# Altium PCB TLS_NBIOT.PcbDoc (continued)
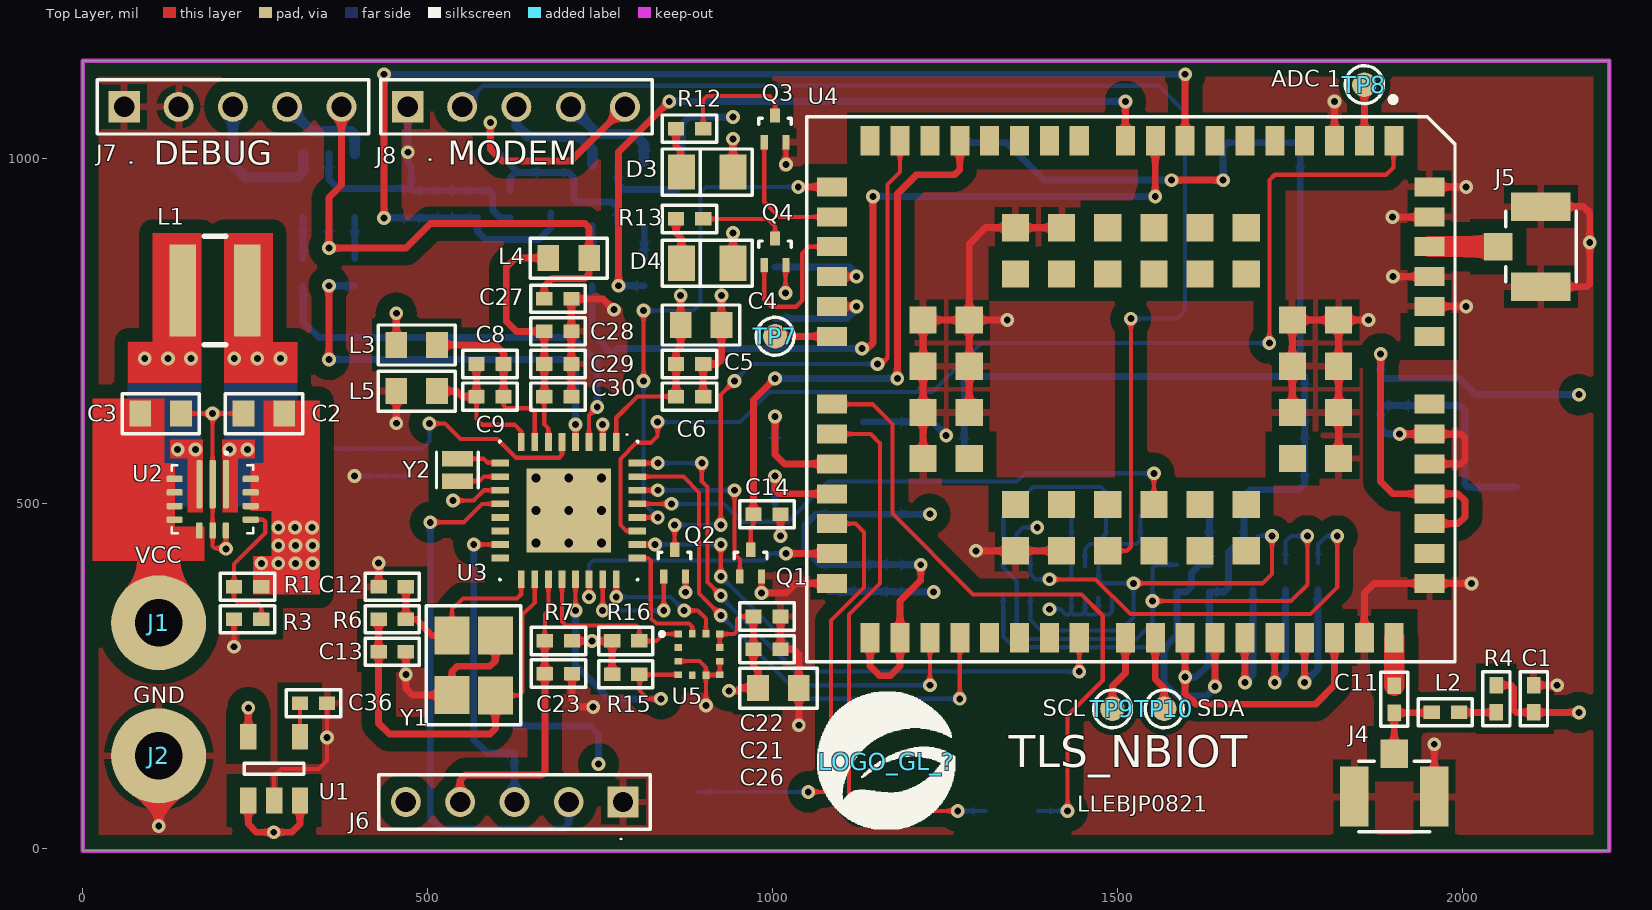
[diagram p0: Top Layer view]
## Footprints (in the part's own frame and the unit in brackets; to place one, negate y for a bottom-side part, rotate by r counter-clockwise, add the part's x,y. Pads: shape width x height; smd on the part's side, far side on the other; paste and mask are expansions set on the pad) (continued)
PIN_CABLE [mm]
  round 3.5 hole 1.75: 1(0,0)
QFN32EP [mm] "QFN, 32-Leads, Body 5,1x5,1mm (max), Pitch 0,50mm, IPC Medium Density"
  rect 0.65x0.25 smd paste-0.025 mask+0.025: 1(-2.525,1.75) 2(-2.525,1.25) 3(-2.525,0.75) 4(-2.525,0.25) 5(-2.525,-0.25) 6(-2.525,-0.75) 7(-2.525,-1.25) 8(-2.525,-1.75) 17(2.525,-1.75) 18(2.525,-1.25) 19(2.525,-0.75) 20(2.525,-0.25) 21(2.525,0.25) 22(2.525,0.75) 23(2.525,1.25) 24(2.525,1.75)
  rect 0.25x0.65 smd paste-0.025 mask+0.025: 9(-1.75,-2.525) 10(-1.25,-2.525) 11(-0.75,-2.525) 12(-0.25,-2.525) 13(0.25,-2.525) 14(0.75,-2.525) 15(1.25,-2.525) 16(1.75,-2.525) 25(1.75,2.525) 26(1.25,2.525) 27(0.75,2.525) 28(0.25,2.525) 29(-0.25,2.525) 30(-0.75,2.525) 31(-1.25,2.525) 32(-1.75,2.525)
  rect 3.1x3.1 smd paste-0.025: 33(0,0)
  Top Layer pour cut-out: -3.1,3.1 3.1,3.1 3.1,-3.1 -3.1,-3.1
  silkscreen extent -2.55,-2.55 2.55,2.55, body extent -2.51,-2.5 2.49,2.5, height 0.7
SIP5_MM [mm]
  rect 1.15x1.15 hole 0.75: 1(0,0)
  round 1.1 hole 0.75: 2(2,0) 3(4,0) 4(6,0) 5(8,0)
  silkscreen extent -1,-1 9,1, body extent -0.96,-1.01 8.93,0.99, height 6
SOT23-5 [mm]
  rect 0.6x0.95 smd: 1(0,0) 2(0.95,0) 3(1.9,0) 4(1.9,2.35) 5(0,2.35)
  silkscreen extent -0.15,0.97 2.05,1.37, body extent -0.52,-0.01 2.4,2.33, height 1
SOT23-6 [mm]
  rect 0.6x0.95 smd: 1(-0.95,-1.175) 2(0,-1.175) 3(0.95,-1.175) 4(0.95,1.175) 5(0,1.175) 6(-0.95,1.175)
  silkscreen extent -1.1,-0.2 1.1,0.2, body extent -1.52,-1.52 1.53,1.48, height 1.3
SOT553 [mm] "SOT553"
  rect 0.3x0.45 smd: 1(0,0) 2(0.5,0) 3(1,0) 4(1,1.35) 5(0,1.35)
  silkscreen extent -0.61,-0.08 1.19,0.9, body extent -0.3,-0.12 1.3,1.48, height 0.45
SOT723 [mm]
  rect 0.27x0.52 smd: 1(-0.4,-0.49) 3(0.4,-0.49)
  rect 0.36x0.52 smd: 2(0,0.49)
  silkscreen extent -0.6,0.17 0.6,0.4, body extent -0.63,-0.61 0.63,0.44, height 0.45
"Style A - 1566230" [mm]
  rect 1x1.05 smd: 1(0,1.575)
  rect 1.05x2.2 smd: 2(-1.475,0) 3(1.475,0)
  silkscreen extent -1.3,-1.3 1.3,1.3, body extent -1.5,-1.3 1.5,1.55, height 1.25
TP [mm]
  round 0.9 smd: 1(0,0)
  silkscreen extent -0.7,-0.7 0.7,0.7
VQFN14 [mm]
  rrect50% 1.79x0.22 smd paste-0.5 mask+0.05: 1(-0.755,0.49) 3(-0.755,-0.49)
  rrect50% 1.79x0.24 smd paste-0.5 mask+0.05: 2(-0.755,0)
  rrect50% 0.24x0.6 smd mask+0.05: 4(-0.95,-1.4) 5(-0.45,-1.4) 6(0.05,-1.4) 7(0.55,-1.4) 11(0.55,1.4) 12(0.05,1.4) 13(-0.45,1.4) 14(-0.95,1.4)
  rrect50% 0.6x0.24 smd mask+0.05: 8(0.95,-0.49) 9(0.95,0) 10(0.95,0.49)
  silkscreen extent -1.95,-1.5 1.05,1.5, body extent -1.45,-1.5 1.05,1.5, height 1.1
XGL4020102 [mm] "XGL4020102"
  rect 0.98x3.4 smd: 1(-1.185,0) 2(1.185,0)
  silkscreen extent -0.4,-2 0.4,2, body extent -2,-2 2,2, height 2.2

## Part data
C1 C6 C8 C10 C15 C18 C21 C22 C23 C31 C36: library part CAP0402_100nF_50V_X7R, "CAP0402 100nF 50V X7R", Manufacturer="TDK Corporation", Manufacturer Part Number=C1005X7R1H104K050BB, Supplier Part Number 1=445-5932-2-ND, CREO=LL, Part Number=CAP0402_100nF_50V_X7R, Supplier 1=Digi-Key
  C6 C8 C10 C15 C18 C21 C22 C23 C31 C36: Digikey PN=445-5932-2-ND, Precio=0
C2: library part CAP0603_47uF_X5R, "CAP0603 47uF 6.3V", Manufacturer="Murata Electronics", Manufacturer Part Number=GRM188R60J476ME15D, Supplier Part Number 1=490-13247-1-ND, CREO=JP, Part Number=CAP0603_47uF_X5R, Supplier 1=Digi-Key
C3 C26: library part CAP0603_10uF_6V3_X5R, "CAP0603 10uF 6V3 X5R", Manufacturer="Murata Electronics", Manufacturer Part Number=GRM188R60J106KE47D, Supplier Part Number 1=490-12538-1-ND, CREO=JP, Part Number=CAP0603_10uF_6V3_X5R, Supplier 1=Digi-Key
C4: library part CAP0603_10uF_6.3V_Y5V, "CAP0603 10uF 6.3V Y5V", Manufacturer="TDK Corporation", Manufacturer Part Number=C1608Y5V0J106Z, Supplier Part Number 1=445-3448-1-ND, CREO=EB, Digikey PN=445-3448-1-ND, Part Number=CAP0603_10uF_6.3V_Y5V, Precio=0, Supplier 1=Digi-Key
C5: library part CAP0402_1uF_6V3_X5R, "CAP0402 1uF 6V3 X5R", Supplier Part Number 1=445-4998-1-ND, CREO=EB, Digikey PN=445-4998-1-ND, Part Number=CAP0402_1uF_6V3_X5R, Precio=0, Supplier 1=Digi-Key
C7: library part CAPARRAY0805_4_33pF_50V_NP0, "CAP ARRAY 4CH 33PF 50V 0805", CREO=EB, Digikey PN=445-1825-1-ND, Part Number=CAPARRAY0805_4_33pF_50V_NP0, Precio=0
C9 C14: library part CAP0402_10nF_X7R, "CAP0402 10nF 50V X7R", Manufacturer="TDK Corporation", Manufacturer Part Number=C1005X7R1H103K050BB, Supplier Part Number 1=445-6850-2-ND, CREO=EB, Part Number=CAP0402_10nF_X7R, Supplier 1=Digi-Key
  C9: Digikey PN=445-6850-2-ND, Precio=0
C11: library part CAP0402_100pF_50V_5%_NP0, "CAP0402 100PF 50V 5% NP0", Supplier Part Number 1=445-8869-2-ND, CREO=EB, Part Number=CAP0402_100pF_50V_5%_NP0, Supplier 1=Digi-Key
C12 C13: library part CAP0402_27pF_NP0, "CAP0402 27pF 50V NP0", Supplier Part Number 1=311-1019-2-ND, CREO=EB, Digikey PN=311-1019-2-ND, Part Number=CAP0402_27pF_NP0, Precio=0, Supplier 1=Digi-Key
C16 C24 C28 C33: library part CAP0402_8.2pF_NP0, "CAP0402 8.2pF 50V NP0", CREO=EB, Digikey PN=311-1012-2-ND, Part Number=CAP0402_8.2pF_NP0, Precio=0
C17 C25 C30 C35: library part CAP0402_33pF_NP0, "CAP CER 33PF 50V 5% NP0 0402", Manufacturer=Murata, Manufacturer #=GRM1555C1H330JA01D, CREO=EB, Digikey PN=490-5936-2-ND, Part Number=CAP0402_33pF_NP0, Precio=0
C19 C20: library part CAP_TAN_100uF_10V_1210, "CAP TANT 100UF 10V 20% 1210", Supplier Part Number 1=718-1761-1-ND, APROBO=-, CREO=EB, Part Number=CAP_TAN_100uF_10V_1210, Supplier 1=Digi-Key
C27 C32: library part CAP0402_100nF_50V_X7R, "CAP0402 100nF 50V X7R", CREO=LL, Digikey PN=445-5932-2-ND, Part Number=CAP0402_100nF_50V_X7R, Precio=0
C29 C34: library part CAP0402_27pF_NP0, "CAP0402 27pF 50V NP0", CREO=EB, Digikey PN=311-1019-2-ND, Part Number=CAP0402_27pF_NP0, Precio=0
C39: library part CAP0402_2.2uF_6V3_X5R, "CAP0402 2.2uF 6V3 X5R", Manufacturer="TDK Corporation", Manufacturer Part Number=C1005X5R0J225M050BC, Supplier Part Number 1=445-4999-2-ND, CREO=EB, Part Number=CAP0402_2.2uF_6V3_X5R, Supplier 1=Digi-Key
D1: "TVS DIODE 5.5V 13V SOT553", Manufacturer="Littelfuse Inc.", Manufacturer Part Number=SP1001-04XTG, Supplier Part Number 1=F2896CT-ND, CREO=MM, Part Number=SP1001-04, Supplier 1=Digi-Key
D3 D4: library part LED0805_ROJO_30MA, "LED SUPER RED CLR THIN 0805 SMD", Manufacturer="Lite-On Inc", Manufacturer Part Number=LTST-C171KRKT, Supplier Part Number 1=160-1427-2-ND, CREO=JS, Part Number=LED0805_ROJO_30MA, Supplier 1=Digi-Key
D5 D6: library part USBLC6-2_SOT23-6, "VERY LOW CAPACITANCE ESD 2 LINES PROTECTION", CREO=EB, Digikey PN=497-5235-2-ND, Part Number=USBLC6-2_SOT23-6, Precio=0
J1 J2: library part PIN_1_CABLE_1mm, "PIN PARA SOLDAR CABLE 1MM", APROBO=-, Part Number=PIN_1_CABLE_1mm, Publico=EB
J3: library part MOLEX_uSIM_0786463001, "1.45mm Height Push-Pull micro-SIM Card Socket without Detect Switch", Supplier Part Number 1=WM9364TR-ND, APROBO=-, Part Number=MOLEX_uSIM_0786463001, Publico=EB, Supplier 1=Digi-Key
J4 J5: library part UMCC_1566230_A, "CONN UMCC RCPT SMD STYLE A FOR TYPE-II/III", Supplier Part Number 1=A36237CT-ND, APROBO=-, Part Number=UMCC_1566230_A, Publico=EB, Supplier 1=Digi-Key
J6: library part HEADER_5POS_2MM, "PIN HEADER 2.00mm 5POS", Manufacturer=Harwin, Manufacturer Part Number=M22-2510505, Supplier Part Number 1=952-1314-ND, APROBO=-, Part Number=HEADER_5POS_2MM, Publico=EB, Supplier 1=Digi-Key
J7 J8: library part HEADER_5POS_2MM, "PIN HEADER 2.00mm 5POS", APROBO=-, Part Number=HEADER_5POS_2MM, Publico=EB, Supplier 1=OUPIIN
L1: library part IND_PWR_1uH_DR, "INDUCTOR SHIELD PWR 1UH SMD", Manufacturer=COILCRAFT, Manufacturer Part Number=XGL4020-102MEC, Supplier Part Number 1=2457-XGL4020-102MEC-ND, APROBO=-, Part Number=IND_PWR_1uH_DR, Publico=JP, Supplier 1=Digi-Key
L2: library part IND0402_47nH, "FIXED IND 47NH 440MA 648 MOHM", Manufacturer=Murata, Manufacturer Part Number=LQW15AN47NG80D, Supplier Part Number 1=490-7644-1-ND, APROBO=-, Part Number=IND0402_47nH, Publico=LB, Supplier 1=Digi-Key
L3 L5: library part IND0603_100@100MHz, "FERRITE CHIP 100 OHM 1A 0603", Supplier Part Number 1=445-2988-1-ND, APROBO=-, Part Number=IND0603_100@100MHz, Publico=EB, Supplier 1=Digi-Key
L4 L6: library part IND0603_100_2A@100MHz, "FERRITE CHIP 100 OHM 2A 0603", Manufacturer=Murata, Manufacturer #=BLM18EG101TN1D, APROBO=-, Digikey PN=490-5978-1-ND, Part Number=IND0603_100_2A@100MHz, Precio=0, Publico=EB
LOGO_GL_?: library part LOGO_GL_SILK_5MM, "LOGO SILK"
Q1 Q2 Q3 Q4: library part DTC043ZEBTL_SOT723, "TRANS PREBIAS NPN 50V EMT3F", Manufacturer="Rohm Semiconductor", Supplier Part Number 1=DTC043ZEBTLCT-ND, APROBO=-, Manufacturer Part Number=DTC043ZEBTL, Part Number=DTC043ZEBTL_SOT723, Publico=LB, Supplier 1=Digi-Key
R1: library part RES0402_634K_1%, "RES0402 634K 1%", Manufacturer="Stackpole Electronics Inc", Manufacturer Part Number=RMCF0402FT634K, Supplier Part Number 1=RMCF0402FT634KCT-ND, APROBO=-, Part Number=RES0402_634K_1%, Publico=JP, Supplier 1=Digi-Key
R2: library part RES0402_15K_1%, "RES0402 15K 1%", Supplier Part Number 1=RMCF0402FT15K0TR-ND, APROBO=-, Part Number=RES0402_15K_1%, Publico=EB, Supplier 1=Digi-Key
R3: library part RES0402_182K_1%, "RES0402 182K 1%", Supplier Part Number 1=RMCF0402FT182K-ND, APROBO=-, Part Number=RES0402_182K_1%, Publico=EB, Supplier 1=Digi-Key
R4: library part RES0402_10R_5%, "RES0402 10R 5%", Supplier Part Number 1=RMCF0402JT10R0CT-ND, APROBO=-, Part Number=RES0402_10R_5%, Publico=EB, Supplier 1=Digi-Key
R6: library part RES0402_10M_5%, "RES0402 10M 5%", Supplier Part Number 1=RMCF0402JT10M0CT-ND, APROBO=-, Digikey PN=RMCF0402JT10M0CT-ND, Part Number=RES0402_10M_5%, Precio=0, Publico=EB, Supplier 1=Digi-Key
R7 R15 R16 R17: library part RES0402_4K7_5%, "RES0402 4K7 5%", Manufacturer="Stackpole Electronics Inc", Manufacturer Part Number=RMCF0402JT4K70, Supplier Part Number 1=RMCF0402JT4K70CT-ND, APROBO=-, Digikey PN=RMCF0402JT4K70CT-ND, Part Number=RES0402_4K7_5%, Precio=0, Publico=EB, Supplier 1=Digi-Key
R8 R9 R10: library part RES0402_0R, "RES0402 0R", Manufacturer="Stackpole Electronics Inc", Manufacturer Part Number=RMCF0402ZT0R00, Supplier Part Number 1=RMCF0402ZT0R00CT-ND, APROBO=-, Part Number=RES0402_0R, Publico=EB, Supplier 1=Digi-Key
R11 R14 R18 R19: library part RES0402_33R_5%, "RES0402 33R 5%", APROBO=-, Digikey PN=RMCF0402JT33R0CT-ND, Part Number=RES0402_33R_5%, Precio=0, Publico=EB
R12 R13: library part RES0402_2K2_5%, "RES0402 2K2 5%", Supplier Part Number 1=RMCF0402JT2K20CT-ND, APROBO=-, Part Number=RES0402_2K2_5%, Publico=EB, Supplier 1=Digi-Key
TP1 TP2 TP3 TP4 TP5 TP6 TP7 TP8 TP9 TP10 TP11 TP12: "Test Point", APROBO=-, Part Number=TP, Publico=EB
U1: "IC REG LDO 1.8V .15A SOT23-5", Manufacturer="Texas Instruments", Supplier Part Number 1=296-15802-1-ND, APROBO=-, Manufacturer Part Number=TPS73118DBVT, Part Number=TPS73118DBVT, Publico=JP, Supplier 1=Digi-Key
U2: library part TPS630250RNCT, "IC REG BCK BST ADJ 2A/4A 14VQFN", Manufacturer="Texas Instruments", Supplier Part Number 1=296-42036-1-ND, Manufacturer Part Number=TPS630250RNCT, Part Number=TPS630250RNCT, Publico=JP, Supplier 1=Digi-Key
U3: "IC MCU 32BIT 128KB FLASH 32QFN", Manufacturer="NXP USA Inc.", Supplier Part Number 1=MK20DX128VFM5-ND, APROBO=-, Manufacturer Part Number=MK20DX128VFM5, Part Number=MK20DX128VFM5, Publico=AP, Supplier 1=Digi-Key
U4: "LTE BG95 Cat M1/ Cat NB2/ EGPRS Module", Manufacturer=Quectel, APROBO=-, Check_prices=https://www.snapeda.com/parts/BG95/Quectel/view-part/4793187/?ref=eda, Part Number=BG95, Publico=MM, SnapEDA_Link=https://www.snapeda.com/parts/BG95/Quectel/view-part/4793187/?ref=snap
U5: "ACCEL 2-16G I2C/SPI 12LGA", Manufacturer=STMicroelectronics, Manufacturer Part Number=LIS2DS12TR, Supplier Part Number 1=497-16261-1-ND, Part Number=LIS2DS12, Publico=JP, Supplier 1=Digi-Key
Y1: library part XTAL_12M_NX3225SA, "CRYSTAL 12.0MHZ 8PF SMD", Supplier Part Number 1=644-1047-1-ND, APROBO=-, CREO=EB, Digikey PN=644-1047-1-ND, Part Number=XTAL_12M_NX3225SA, Precio=0, Supplier 1=Digi-Key
Y2: library part XTAL_32768_XC2282CT, "CRYSTAL 32.768KHZ 12.5PF SMD", Manufacturer="ECS Inc.", Manufacturer Part Number=ECS-.327-12.5-1210-TR, Supplier Part Number 1=XC2282CT-ND, CREO=AP, Part Number=XTAL_32768_XC2282CT, Supplier 1=Digi-Key

## Via types
v1: diameter 20, hole 10, Top Layer to Bottom Layer, tented both sides, 147 vias
v2: diameter 25.98, hole 12.99, Top Layer to Bottom Layer, tented bottom, 9 vias

## Nets (pads, with @x,y where several pads share a name; then routed paths per layer and width w, separated by ;. In a path a pad name is that pad's centre, name@x,y a point inside that pad or via, vN(x,y) a via of type N, cw(c..) or ccw(c..) an arc to the next point about the centre after c; other vN are vias at no path point)
1V8: C4.1 C5.1 C6.1 C21.1 C22.1 C26.1 J6.5 L3.2 R7.2 R15.2 R16.2 R17.2 U1.5 U3.1 U3.11 U5.9 U5.10 | length 3190.9
  Top Layer w6: v1(536.93,503.94) 566.93,503.94 581.92,518.92 U3.11 ; U3.1 773.62,624.02 804.36,654.75 C6.1 ; U5.9 U5.10 944.38,310.52 948.82,314.96 948.82,331.92 952.76,335.85 C22.1
  Top Layer w10: U1.5 v1(240.16,203.47) ; L3.2 v1(454.72,775.59) ; R7.2 v1(738.61,300.42) R16.2 R15.2 ; C6.1 C5.1 860.24,719.71 867.02,726.5 C4.1 v1(867.02,801.18) ; v1(937.01,228.11) 948.58,228.11 952.76,232.28 978.99,232.28 C26.1 979.23,256.99 972.44,263.78 C21.1 C22.1
  PWRS w10: v1(240.16,203.47) 240.16,134.84 252.95,122.05 452.96,122.05 468.5,106.5 ; v1(454.72,775.59) 490.96,775.59 537,729.55 537,728 ; J6.5 468.5,106.5 ; v1(536.93,503.94) 536.93,367.06 603.57,300.42 v1(738.61,300.42) 912.18,300.42 937.01,275.59 v1@937.01,235.99 ; v1@537,503 537,728 ; v1(867.02,801.18) 867.02,776.47 838.58,748.03 557.03,748.03 537,728 ; v1(937.01,228.11) 937.01,153.54 905.51,122.05 v1(748.03,122.05) 484.05,122.05 468.5,106.5
  Bottom Layer w10: R17.2 736.22,177.17 748.03,165.35 v1(748.03,122.05)
3V6: C1.1 C2.1 C15.1 C16.1 C17.1 C18.1 C19.1 C20.1 C33.1 C35.1 D3.1 D4.1 R1.2 R4.2 U1.1 U1.3 U2.12 U2.13 U2.14 U4.32 U4.33 U4.52 U4.53 | length 6058.6
  Top Layer w10: U1.1 240.16,34.84 252,23 v1(277,23) 303,23 315,35 315,68.86 U1.3 ; R1.2 298.16,379.16 308.33,389.33 308.33,408.83 v1@306,411.16 ; D4.1 v1(942.91,891.73) ; D3.1 v1(942.91,1028.43) ; U4.32 1141.73,263.78 1155.51,250 1171.26,250 1185.04,263.78 U4.33 1185.04,358.27 1215.02,388.25 v1(1215.02,410.96) ; v1(1881.89,716.54) 1881.89,531.5 1899.61,513.78 U4.53 1994.09,513.78 2003.94,503.94 2003.94,480.31 1994.09,470.47 U4.52 ; R4.2 2070.87,236.22 2074.8,232.28 2074.8,200.79 2078.74,196.85 C1.1 v1(2169.29,196.85)
  PWRS w10: v1@306,411.16 306,333.56 201,228.56 201,47 225,23 v1(277,23) 1321,23 1334.65,36.65 1334.65,161.42 1370.08,196.85 ; v1(942.91,1028.43) v1(942.91,891.73) 1072.27,891.73 1086,878 1086,494 1095.75,484.25 v1(1228.35,484.25) 1303.15,484.25 1334.65,452.76 1334.65,232.28 1370.08,196.85 ; v1(2169.29,657.48) v1(2169.29,196.85) 1370.08,196.85
  Bottom Layer w10: C18.1 C18.1@1087.31,411.42 ; C16.1 v1(1215.02,410.96) ; C16.1@1176.39,411.42 1129.15,411.42 C18.1@1087.31,411.42 ; v1(1228.35,484.25) v1(1228.35,484.25) C20.1 1062.92,484.18 1047.24,468.5 1047.24,433.07 1068.9,411.42 C18.1@1087.31,411.42 ; v1(1881.89,716.54) 1882.12,716.3 C33.1 C15.1 1996.06,681.1 2019.61,657.55 C19.1 2169.22,657.55 v1(2169.29,657.48)
  other v1: 259,413 283.67,413 308.33,413 333,413 283.67,439 308.33,439 333,439 283.67,465 308,465 332.67,465
ACC_INT1: U3.25 U5.12 | length 179.3
  Top Layer w6: U3.25 819.66,420.5 823.6,416.56 823.6,352.43 823.52,352.36 823.52,333.96 831.99,325.49 879.24,325.49 883.86,320.87 U5.12
ACC_INT2: U3.24 U5.11 | length 190.4
  Top Layer w6: v1(773.62,364.17) U3.24 ; v1(872.05,344.49) 891.73,344.49 903.54,332.68 U5.11
  Bottom Layer w6: v1(773.62,364.17) 852.36,364.17 v1(872.05,344.49)
ANT_GNSS: C11.1 U4.49 | length 69.5
  Top Layer w30.32: C11.1 U4.49
ANT_MAIN: J5.1 U4.60 | length 99.4
  Top Layer w30.32: U4.60 J5.1
CLK_SIM1: C7.5 D1.3 J3.C3 R8.2 | length 765.7
  Top Layer w6: v1(1401.57,389.76) 1468.5,389.76 1519,339.27 1780.21,339.27 1818.9,377.95 v1(1818.9,452.76)
  Bottom Layer w6: D1.3 1374.02,397.39 1381.65,389.76 v1(1401.57,389.76) 1429.13,389.76 1433.46,394.09 C7.5 J3.C3 ; R8.2 1790.95,440.55 1803.15,452.76 v1(1818.9,452.76)
DIO_SIM1: C7.6 D1.1 J3.C7 R2.1 R10.2 | length 1167.6
  Top Layer w6: v1(1551.18,358.27) 1751.97,358.27 1775.59,381.89 v1(1775.59,452.76)
  Bottom Layer w6: C7.6 1453.15,433.46 1460.63,440.94 1468.5,440.94 1483.46,455.91 J3.C7 1483.46,516.54 1476.38,523.62 1377.95,523.62 1334.65,480.32 D1.1 1334.65,406.57 1354.33,386.88 1354.33,314.96 1365.95,303.34 1527.75,303.34 1551.18,326.77 v1(1551.18,358.27) 1551.18,405.51 1556.63,410.96 R2.1 ; R10.2 1744.09,444.88 1751.97,452.76 v1(1775.59,452.76)
GND: C1.2 C2.2 C3.2 C4.2 C5.2 C6.2 C7.1 C7.2 C7.3 C7.4 C12.2 C13.2 C14.2 C15.2 C16.2 C17.2 C18.2 C19.2 C20.2 C21.2 C22.2 C23.1 C24.2 C25.2 C26.2 C27.2 C28.2 C29.2 C30.2 C31.1 C32.2 C33.2 C34.2 C35.2 C36.1 C39.2 D1.2 D5.2 D6.2 J2.1 J4.2 J4.3 J5.2 J5.3 J6.1 J7.1 J7.2 J8.1 L5.2 Q1.3 Q2.3 Q3.3 Q4.3 R3.1 U1.2 U2.2 U2.9 U2.10 U3.2 U4.3 U4.31 U4.48 U4.50 U4.54 U4.55 U4.58 U4.59 U4.61 U4.62 U4.67 U4.68 U4.69 U4.70 U4.71 U4.72 U4.73 U4.74 U4.79 U4.80 U4.81 U4.82 U4.89 U4.90 U4.91 U4.100 U4.101 U4.102 U5.3 U5.6 U5.7 U5.8 Y1.2 Y1.4 | length 6137.3
  Top Layer w6: C3.2 v1@185.04,630.12 ; U2.10 v1(207.64,434) 206.64,435 191,435 188.35,437.65 U2.9 U2.2 v1(188.35,630.12) C2.2 ; v1(219.45,292) R3.1 ; U1.2 277.56,104.56 288,115 342,115 354.33,127.33 v1(354.33,160.33) C36.1 ; U3.2 v1@753.94,608.27 ; U5.3 894.2,271.15 903.54,261.81 U5.6 ; Q2.3 874.02,371.98 v1@875,371 ; v1(903.54,206.69) U5.6 ; U5.8 U5.7 923.23,250.97 U5.6 ; v1(984.25,370.08) Q1.3 ; v1(1019,805) 1019,844.59 Q4.3 ; v1(1019.68,991.32) Q3.3
  Top Layer w10: v1(110.24,32) J2.1 ; C12.2 v1(429.13,413.39) ; v1(454.72,616.14) L5.2 ; C13.2 v1(468.5,251.97) 468.5,231.15 477.78,221.87 Y1.2 535.43,255.9 543.31,263.78 590.55,263.78 598.43,271.66 Y1.4 ; C30.2 C29.2 C28.2 C27.2 754.7,796.48 v1(770.45,780.73) ; C23.1 709.49,215.7 720.47,204.72 v1(740.16,204.72) ; C6.2 C5.2 919.99,701.99 926.08,708.08 C4.2 v1(926.08,801.18) ; v1(984.25,370.08) 1019.68,370.08 1033.46,383.86 U4.31 ; C22.2 C21.2 1030.29,288.61 1038.28,280.61 C26.2 v1(1038.28,178.25) ; v1(1011.81,452.76) C14.2 ; U4.72 U4.71 U4.70 U4.69 U4.89 ; U4.91 U4.90 U4.89 ; v1(1295.28,431.1) U4.73 U4.74 ; v1(1340.55,765.75) U4.89 ; U4.67 U4.68 1309.06,899.61 1285.43,875.98 U4.89 ; U4.100 U4.101 U4.102 U4.82 ; U4.3 v1(1814.96,1082.68) ; U4.79 U4.80 U4.81 U4.82 ; U4.48 1858.27,370.08 1872.05,383.86 U4.50 v1(2013.78,383.86) ; v1(1864.17,765.75) U4.82 ; v1(1898.85,915) U4.61@1952,915 ; v1(1899.61,828.74) U4.59 ; v1(1909.45,600.39) U4.55 1998.03,600.39 2003.94,594.49 2003.94,562.99 1998.03,557.09 U4.54 ; U4.58 v1(2005.91,785.43) ; U4.62 v1(2005.91,958.66) ; J4.3 v1(1959.65,150.59) ; C1.2 v1(2137.8,236.22) ; J5.2 2180.12,813.98 2185.04,818.9 v1(2185.04,877.95) 2185.04,921.26 2176.18,930.12 J5.3
  Bottom Layer w6: v1@393.37,539.63 v1(394,539.63) C31.1 C39.2 ; D1.2 1354.33,456.33 1363,465 v1(1384,465) ; v1@1401.57,342.71 v1@1405.32,346.46 ; v1(1401.57,346.46) v1@1405.32,346.46 ; C7.4 1433.46,342.13 ; C7.3 1453.15,342.13 ; C7.2 1472.44,362.8 1472.44,342.52 ; C7.1 1492.52,342.91 1488.19,338.58 1476.38,338.58 1472.44,342.52 ; v1@1405.32,346.46 1417.32,346.46 1425.2,338.58 1429.92,338.58 1433.46,342.13 ; 1433.46,342.13 1437.01,338.58 1448.82,338.58 1452.36,342.13 1453.15,342.13 ; 1453.15,342.13 1456.69,338.58 1468.5,338.58 1472.44,342.52
  Bottom Layer w10: D5.2 356.97,969.8 370.08,956.69 C25.2@474.35,956.69 ; J8.1@471.4,1078.74 J8.1 v1(471.4,1008.92) 471.4,993.17 476.38,988.19 476.38,958.72 C25.2@474.35,956.69 ; C32.2 605.83,913.85 594.49,925.2 594.49,948.82 590.08,953.22 C24.2 C34.2 477.82,953.22 C25.2@474.35,956.69 ; D6.2 776.24,962.76 784,955 862,955 869,962 869,1050 879,1060 v1(942.91,1060) ; C18.2@1081.9,372.05 C16.2@1176.39,372.05 ; C20.2 1232.21,618.18 v1(1251.97,598.43) ; C16.2 v1(1233.8,371.59) ; v1(1909.45,600.39) 1890.42,600.39 1882.12,608.69 C33.2 C15.2 1996.06,641.73 2003.94,633.86 2003.94,527.56 2007.94,523.55 C19.2
  other v1: 874,371 753.94,614.17
GSM_ON_OFF: Q1.1 U3.30 | length 261
  Top Layer w6: U3.30 v1(833.88,518.92) ; v1@944.88,514.99 944.88,426.25 952.76,418.37 Q1.1
  Bottom Layer w6: v1(833.88,518.92) v1@940.95,518.92
  other v1: 944.88,518.92
GSM_RESET: Q2.1 U3.23 | length 183.7
  Top Layer w6: v1(753.94,344.49) U3.23 ; v1(842.52,344.49) Q2.1
  Bottom Layer w6: v1(753.94,344.49) v1(842.52,344.49)
I2C_SCL: R16.1 U3.20 U5.1 | length 256.8
  Top Layer w6: U3.20 694.88,328.74 700.79,322.83 803.15,322.83 807.09,318.9 R16.1 831.92,300.42 842.02,310.52 U5.1
I2C_SDA: R15.1 U3.21 U5.4 | length 384.2
  Top Layer w6: v1(714.57,344.49) U3.21 ; R15.1 R15.1@807.59,251.47 ; v1(838.58,216.54) 819.9,216.54 807.59,228.85 R15.1@807.59,251.47 ; U5.4 R15.1@807.59,251.47
  Bottom Layer w10: v1(714.57,344.49) 714.57,265.75 763.78,216.54 v1(838.58,216.54)
MOD_STATUS: Q3.1 U4.20 | length 193.9
  Top Layer w6: Q3.1 988.19,937.01 1009.84,915.35 U4.20
NET_STATUS: Q4.1 U4.21 | length 228.2
  Top Layer w6: Q4.1 988.19,795.81 999,785 1034,785 1043.31,794.31 1043.31,862.2 1053.15,872.05 U4.21
NetC11_2: C11.2 J4.1 L2.2 | length 114.1
  Top Layer w10: J4.1 C11.2 1955.39,196.29 L2.2
NetC12_1: C12.1 R6.1 U3.17 Y1.1 | length 293.1
  Top Layer w6: Y1.1 535.43,346.45 551.18,362.2 629.92,362.2 635.83,368.11 U3.17
  Top Layer w10: C12.1 R6.1 483.05,331.92 506.47,308.49 Y1.1
NetC13_1: C13.1 R6.2 U3.18 Y1.3 | length 590.3
  Top Layer w6: Y1.3 632.51,221.49 637.8,226.78 637.8,338.58 655.51,356.3 U3.18
  Top Layer w10: R6.2 C13.1 429.13,181.1 444.88,165.35 590.55,165.35 598.43,173.23 Y1.3
NetC14_1: C14.1 Q1.2 U4.15 | length 856.5
  Top Layer w6: Q1.2@968.5,430.72 Q1.2 968.5,464.57 972.44,468.5 C14.1
  Top Layer w10: C14.1 972.44,649.6 v1(1003.94,681.1) ; v1(1181.1,681.1) 1181.1,948.82 1208.66,976.38 1263.78,976.38 1271.65,984.25 U4.15
  Bottom Layer w10: v1(1003.94,681.1) v1(1181.1,681.1)
NetC31_2: C31.2 C39.1 TP3.1 U3.5 | length 399.9
  Top Layer w6: v1(502.57,615.57) 525.43,615.57 548,593 601.05,593 628.05,566 691,566 694.88,569.88 U3.5
  Bottom Layer w6: TP3.1 C31.2 C39.1 492,579 503,590 v1@503,615
NetC36_2: C36.2 U1.4 | length 48.6
  Top Layer w6: U1.4 C36.2
NetD3_2: D3.2 R12.2 | length 66.3
  Top Layer w10: R12.2 860.24,1018.37 866.8,1011.81 866.8,981.63 D3.2
NetD4_2: D4.2 R13.2 | length 67.4
  Top Layer w10: R13.2 860.24,891.73 868.11,883.86 D4.2
NetD5_4: D5.4 R14.1 | length 59.6
  Bottom Layer w10: R14.1 D5.4
NetD5_6: D5.6 R11.1 | length 59.6
  Bottom Layer w10: R11.1 D5.6
NetD6_4: D6.4 R19.1 | length 48
  Bottom Layer w10: D6.4@813.65,902.56 814.18,902.03 R19.1
NetD6_6: D6.6 R18.1 | length 47.8
  Bottom Layer w10: R18.1 D6.6 D6.6@738.84,902.56
NetL1_1: L1.1 U2.3
  other v1: 137.69,578 163.69,578 90,710 123.5,710 157,710
NetL1_2: L1.2 U2.1
  other v1: 213,578 239,578 219.69,710 253.19,710 286.69,710
NetL2_1: L2.1 R4.1 | length 54.4
  Top Layer w10: L2.1 R4.1
NetQ2_2: Q2.2 U4.17 | length 872.3
  Top Layer w6: Q2.2 v1(858.27,468.5) ; v1@925.2,472.44 925.2,657.48 v1(944.88,677.17) ; v1@1155.51,698.82 1167.1,710.41 1167.1,962.38 1185.04,980.31 U4.17
  Bottom Layer w6: v1(858.27,468.5) v1(925.2,468.5) ; v1(944.88,677.17) 969.82,702.1 v1(1152.26,702.1)
NetQ3_2: Q3.2 R12.1 | length 171.9
  Top Layer w6: R12.1 899.61,1084.65 905.51,1090.55 996.06,1090.55 1003.94,1082.68 Q3.2
NetQ4_2: Q4.2 R13.1 | length 126.1
  Top Layer w6: R13.1 993.25,912.26 1003.94,901.57 Q4.2@1003.94,884.25
NetR1_1: R1.1 R3.2 U2.11 | length 215.5
  Top Layer w6: U2.11 261.62,476.38 264.67,473.33 264.67,457.13 219.64,412.1 219.64,379.35 R1.1 219.45,361.55 226,355 254,355 259,350 259,332.1 R3.2
NetR8_1: R8.1 U4.46 | length 206.8
  Top Layer w10: v1(1771.65,240.16) U4.46
  Bottom Layer w10: v1(1771.65,240.16) 1790.95,259.45 R8.1
NetR9_1: R9.1 U4.44 | length 203.7
  Top Layer w10: v1(1685.04,240.16) U4.44
  Bottom Layer w10: v1(1685.04,240.16) 1696.85,251.97 R9.1
NetR10_1: R10.1 U4.45 | length 205.3
  Top Layer w10: v1(1728.35,240.16) U4.45
  Bottom Layer w10: v1(1728.35,240.16) 1744.09,255.91 R10.1
NetTP1_1: TP1.1 U4.27 | length 190.7
  Top Layer w10: v1(1003.94,625.98) 1003.94,570.87 1017.72,557.09 U4.27
  Bottom Layer w10: TP1.1 v1(1003.94,625.98)
NetTP2_1: TP2.1 U4.28 | length 144.2
  Top Layer w10: v1(1003.94,539.37) 1003.94,519.68 1009.84,513.78 U4.28
  Bottom Layer w10: TP2.1 v1(1003.94,539.37)
NetTP4_1: TP4.1 U4.22 | length 167.1
  Top Layer w10: U4.22 v1(1122.05,828.74) v1@1125.98,828.74
  Bottom Layer w10: TP4.1 1112.2,842.52 v1@1125.98,828.74
NetTP5_1: TP5.1 U4.23 | length 168.8
  Top Layer w10: U4.23 v1(1122.05,785.43) v1@1125.98,785.43
  Bottom Layer w10: TP5.1 1108.27,767.72 v1@1125.98,785.43
NetTP6_1: TP6.1 U4.29 | length 635.3
  Top Layer w6: v1(1052,81.63) 1075.63,81.63 1085,91 1085,330 1133,378 1133,458 1120.53,470.47 U4.29
  Bottom Layer w6: TP6.1 v1(1052,81.63)
NetTP7_1: TP7.1 U4.24 | length 94.6
  Top Layer w10: TP7.1@992,742.13 TP7.1 U4.24
NetTP8_1: TP8.1 U4.2 | length 81.4
  Top Layer w10: U4.2 TP8.1
NetTP9_1: TP9.1 U4.40 | length 110.9
  Top Layer w10: TP9.1 1493,235 1511.81,253.81 U4.40
NetTP10_1: TP10.1 U4.41 | length 108.5
  Top Layer w10: U4.41 1555.12,244.88 1568,232 TP10.1
NetTP11_1: TP11.1 U4.25 | length 942.7
  Top Layer w6: U4.25 1145.3,643.7 1174,615 1174,485 1291,368 1448,368 1479,337 1479,243 1428,192 v1(1428,54)
  Bottom Layer w6: TP11.1 v1(1428,54)
NetTP12_1: TP12.1 U4.26 | length 815.8
  Top Layer w6: U4.26 1142.61,600.39 1156,587 1156,384.03 1111,339.03 1111,69 1126,54 v1(1268.65,54)
  Bottom Layer w6: v1(1268.65,54) TP12.1
NetU3_9: U3.9 Y2.2 | length 64.7
  Top Layer w6: Y2.2 580.98,564.69 586.61,559.06 604.55,559.06 U3.9
NetU3_10: U3.10 Y2.1 | length 64.7
  Top Layer w6: Y2.1 575.52,532.21 581.92,538.61 U3.10
PON_TRIG: U3.29 U4.96 | length 834.3
  Top Layer w6: U3.29 v1(853.57,499.24) ; U4.96 v1(1553.15,543.5)
  Bottom Layer w6: v1(853.57,499.24) 929.9,499.24 955.85,473.28 1022.45,473.28 1080.67,531.5 1354.33,531.5 1366.33,543.5 v1(1553.15,543.5)
POWER_SAVE: U3.27 U4.1 | length 1602
  Top Layer w6: U3.27 788.16,459.87 779.53,468.5 779.53,564.27 803.15,587.89 824.11,587.89 833.51,597.29 v1(833.51,618.11) ; v1(1720.47,732.28) 1720.47,968.5 1728.35,976.38 1889.76,976.38 1900.45,987.07 U4.1@1900.45,1018.51
  Bottom Layer w6: v1(833.51,618.11) 952.76,618.11 995.83,661.18 1232.05,661.18 1303.15,732.28 v1(1720.47,732.28)
RESET: C23.2 J6.4 R7.1 U3.19 | length 440.6
  Top Layer w6: R7.1 670.12,339.42 675.2,344.49 U3.19
  Top Layer w10: J6.4 547.24,98.43 555.12,106.3 665.35,106.3 670.12,111.07 C23.2 R7.1
RST_SIM1: C7.7 D1.4 J3.C2 R9.2 | length 768.7
  Top Layer w6: v1(1523.62,384) 1710.77,384 1724.41,397.64 v1(1724.41,452.76)
  Bottom Layer w6: D1.4 1374.02,330.71 1389.39,315.34 1504.31,315.34 1523.62,334.65 v1(1523.62,384) 1478.2,384 1472.83,389.37 C7.7 1472.83,425.59 1476.19,428.94 1476.38,428.94 1488.38,440.94 1527.56,440.94 1533.46,446.85 J3.C2 ; R9.2 1696.85,444.88 1704.72,452.76 v1(1724.41,452.76)
SIM_GND: C10.1 J3.C5 J3.G1 J3.G2 J3.G3 J3.G4 J3.G5 J3.G6 U4.42 U4.47 | length 2457
  Top Layer w10: v1(1578.74,968.5) v1(1653.54,968.5) ; U4.42 1598.43,224.41 1614.17,208.66 1787.4,208.66 1814.96,236.22 U4.47
  Bottom Layer w10: J3.G1 J3.G2 1278.15,677.76 1284.06,683.66 1757.68,683.66 1765.35,691.34 ; J3.G3@1284.65,1026.75 J3.G3 1339.37,1022.83 1393.7,968.5 v1(1578.74,968.5) ; v1(1598.43,248.03) 1614.17,248.03 1633.46,267.32 C10.1 1655.06,371.59 1661.42,377.95 1661.42,429.13 1683.46,451.18 J3.C5 1683.46,510.24 1692.91,519.68 1763.78,519.68 1771.85,527.76 J3.G6 J3.G5 1771.85,684.84 1765.35,691.34 ; v1(1653.54,968.5) 1653.54,1015.75 1660.63,1022.83 J3.G4 1765.35,691.34
SLEEP_DET: U3.28 U4.19 | length 780.2
  Top Layer w6: U3.28 v1(833.88,479.55) ; v1(813.21,677.17) v1(813.21,779.53)
  Top Layer w10: v1(1037.4,958.66) U4.19
  Bottom Layer w6: v1(813.21,677.17) 813.21,500.22 v1(833.88,479.55) ; v1(813.21,779.53) 885.53,779.53 896,790 896,951 903.66,958.66 v1(1037.4,958.66)
TCK: J6.2 U3.12 | length 783.7
  Top Layer w6: v1(503.94,472.44) 552.4,472.44 579.2,499.24 U3.12
  Bottom Layer w10: v1(503.94,472.44) 503.94,43.31 519.68,27.56 696.85,27.56 704.72,35.43 J6.2
TMS: J6.3 R17.1 U3.15 | length 459.9
  Top Layer w6: v1(566.93,440.18) U3.15
  Bottom Layer w10: v1@566.93,440.94 v1(566.93,440.18) 566.93,157.48 586.61,137.8 R17.1 J6.3
UART_DTR: U3.22 U4.30 | length 431.9
  Top Layer w6: v1(734.25,364.17) U3.22
  Top Layer w10: v1(1019.68,427.17) U4.30
  Bottom Layer w6: v1(734.25,364.17) 734.25,411.42 740.16,417.32 988.19,417.32 998.03,427.17 v1(1019.68,427.17)
UART_RI: U3.26 U4.39 | length 796.7
  Top Layer w6: U3.26 v1(829.95,440.18) ; v1(925.2,393.7) v1(925.2,440.18) ; v1(1444.88,255.91) U4.39
  Bottom Layer w6: v1(829.95,440.18) v1(925.2,440.18) v1@928.37,440.18 ; v1(925.2,393.7) 1062.99,255.91 v1(1444.88,255.91)
UART_RXD: U3.31 U4.35 | length 767.6
  Top Layer w6: U3.31 870.84,538.61 893.7,515.75 893.7,369.02 v1(925.2,337.53) ; v1@1271.65,224.41 U4.35
  Bottom Layer w6: v1(925.2,337.53) 1046.19,216.54 v1(1271.65,216.54)
UART_TXD: U3.32 U4.34 | length 716.1
  Top Layer w6: U3.32 v1(833.88,558.29) ; v1(897.64,558.29) 897.64,531.5 905.7,523.43 905.7,385.64 v1(925.2,366.14) ; v1@1228.35,244.09 U4.34
  Bottom Layer w6: v1(833.88,558.29) v1(897.64,558.29) ; v1(925.2,366.14) 925.2,364.4 1053.37,236.22 v1(1228.35,236.22)
USB_BOOT: J8.2 U4.75 | length 1814.6
  Top Layer w6: U4.75 1513.78,431.1 1519.68,437.01 v1(1519.68,767.72)
  Bottom Layer w6: J8.2 580.79,1105.46 1559.9,1105.46 1598.43,1066.93 1598.43,779.53 1586.61,767.72 v1(1519.68,767.72)
USB_D_MCU_N: D5.3 J7.4 | length 146.3
  Bottom Layer w15: J7.4@296.48,1078.74 J7.4 331.92,1039.37 389.76,1039.37 394.38,1034.76 D5.3
USB_D_MCU_P: D5.1 J7.3 | length 226.7
  Bottom Layer w15: J7.3@217.74,1078.74 J7.3 217.74,990.92 236.22,972.44 311.02,972.44 319.57,980.99 D5.1
USB_D_N: D6.3 J8.4 | length 158.2
  Bottom Layer w15: J8.4@707.62,1078.74 J8.4 746.99,1035.43 799.21,1035.43 813.65,1021 D6.3@813.65,995.08
USB_D_P: D6.1 J8.3 | length 177
  Bottom Layer w15: J8.3@628.88,1078.74 J8.3 628.88,1048.29 645.67,1031.5 720.47,1031.5 738.84,1013.13 D6.1
USB_IN_N: R19.2 U4.10 | length 1053.5
  Top Layer w10: v1(776.93,815.36) 776.93,1009.21 v1(850.39,1082.68) ; U4.10 v1(1511.81,1082.68)
  Bottom Layer w10: v1(776.93,815.36) R19.2 ; v1(850.39,1082.68) v1(1511.81,1082.68)
USB_IN_P: R18.2 U4.9 | length 1198
  Top Layer w10: v1(1129.92,724.41) 1137.79,724.41 1145.67,732.28 v1(1145.67,944.88) ; v1(1555.12,944.88) U4.9
  Bottom Layer w10: R18.2 738.84,745.41 767.72,716.54 775.59,724.41 v1(1129.92,724.41) ; v1(1145.67,944.88) v1(1555.12,944.88)
USB_MCU_N: R14.2 U3.4 | length 618.1
  Top Layer w6: U3.4 v1(714.57,614.17)
  Top Layer w10: v1(356.97,708.66) v1(356.97,815.36)
  Bottom Layer w10: v1(356.97,708.66) 708.66,708.66 714.57,702.76 v1(714.57,614.17) ; v1(356.97,815.36) R14.2
USB_MCU_P: R11.2 U3.3 | length 623.3
  Top Layer w6: U3.3 734.25,627.95 v1(746.06,639.76)
  Bottom Layer w10: R11.2 319.57,763.1 342.52,740.16 709.87,740.16 746.06,703.96 v1(746.06,639.76)
V_USB: C32.1 D6.5 J8.5 L6.1 | length 610.3
  Top Layer w10: v1(591,1052) 591,1013 607.94,996.06 707.62,996.06 J8.5 J8.5@786.36,1078.74
  Bottom Layer w10: v1(591,1052) 591,1020 631.3,979.7 ; C32.1 619.55,971.55 627.7,979.7 631.3,979.7 ; D6.5@776.24,902.56 776.24,928.48 767.72,937.01 716.54,937.01 712.6,940.94 712.6,971.39 704.29,979.7 L6.1 631.3,979.7
V_USB_FILTRADA: C24.1 C25.1 C34.1 L6.2 U4.8 | length 1764.7
  Top Layer w10: v1(437.01,913.85) v1(437.01,1122.05) v1@437.01,1125.98 ; U4.8 v1(1598.43,1122.05)
  Bottom Layer w10: v1(437.01,913.85) C25.1 C34.1 C24.1 572.31,894.17 584.12,882.36 661.89,882.36 678.61,899.08 L6.2 ; v1(437.01,1122.05) v1(1598.43,1122.05)
V_USB_FILTRADA_MCU: C28.1 C29.1 C30.1 L4.2 U3.6 | length 369.2
  Top Layer w6: C30.1 669.29,614.17 675.2,608.27 U3.6
  Top Layer w10: C30.1 C29.1 C28.1 628.71,749.24 614.17,763.78 614.17,842.52 627.19,855.54 L4.2
V_USB_MCU: C27.1 D5.5 J7.5 L4.1 | length 813
  Top Layer w10: J7.5@375.22,1078.74 J7.5 375.22,961.84 356.97,943.59 v1(356.97,870.08) 468.5,870.08 503.94,905.51 728.35,905.51 734.25,899.61 L4.1 734.25,832.11 727.98,825.84 680.17,825.84 669.29,814.96 C27.1
  Bottom Layer w10: v1(356.97,870.08) D5.5
VCC: C3.1 J1.1 U2.4 U2.5 U2.6 U2.7 U2.8 | length 113.7
  Top Layer w60: 109,440 110.24,438.76 J1.1
VCC_SIM1: C10.2 D1.5 J3.C1 R2.2 U4.43 | length 747.7
  Top Layer w10: v1(1641.73,234.25) U4.43
  Bottom Layer w6: D1.5 1334.65,307.09 1350.39,291.34 1565.94,291.34 1567.52,289.76
  Bottom Layer w10: J3.C1 C10.2 1619.63,410.96 1607.46,398.8 1607.46,379.11 1599.94,371.59 R2.2 1586.61,308.86 1567.52,289.76 1567.52,239.57 1586.61,220.47 1629.92,220.47 v1@1643.7,234.25
VDDA: C8.1 C9.1 L3.1 U3.7 | length 265.9
  Top Layer w6: C9.1 610.24,641.73 614.17,637.8 649.61,637.8 655.51,631.89 U3.7
  Top Layer w10: L3.1 598.42,729.55 610.24,717.74 C8.1 C9.1@610.24,658.69
VSSA: C8.2 C9.2 L5.1 U3.8 | length 228.1
  Top Layer w6: C9.2 570.87,622.05 578.93,613.98 626.17,613.98 635.83,604.33 U3.8
  Top Layer w10: L5.1 542.1,662.62 549.97,654.75 C9.2 C8.2
pads on no net: C7.8 J3.C6 J3.X1 J3.X2 U3.13 U3.14 U3.16 U3.33 U4.4 U4.5 U4.6 U4.7 U4.11 U4.12 U4.13 U4.14 U4.16 U4.18 U4.36 U4.37 U4.38 U4.51 U4.56 U4.57 U4.63 U4.64 U4.65 U4.66 U4.76 U4.77 U4.78 U4.83 U4.84 U4.85 U4.86 U4.87 U4.88 U4.92 U4.93 U4.94 U4.95 U4.97 U4.98 U4.99 U5.2 U5.5
copper on no net:
  other v2: 657.48,442.15 704.72,442.15 751.97,442.15 657.48,489.4 704.72,489.4 751.97,489.4 657.48,536.64 704.72,536.64 751.97,536.64

## Polygon pours and split planes (outlines as drawn)
1V8 on PWRS "1V8" (solid, remove dead copper, pour order 4): 401.57,216.54 224.41,216.54 224.41,106.3 980.31,106.3 980.32,682.31 606.3,682.31 888.56,682.31 889.76,681.1 889.76,834.65 401.57,834.65
3V6 on PWRS "3V6" (solid, remove dead copper, pour order 6): 0,1141.73 2213.4,1141.73 2213.4,-3.94 0,-3.94
GND on Bottom Layer "GND_BOTTOM" (solid, remove dead copper, pour order 8): 0,1141.73 0,-3.94 2214.94,-3.94 2213.4,-2.4 2213.4,1141.73
GND on Top Layer "GND_TOP" (solid, remove dead copper, pour order 10): 0,1141.73 0,-3.94 2213.4,-3.94 2213.4,1141.73
GND on GND (split plane): 2193.3,16.16 20.1,16.16 20.1,1121.64 2193.3,1121.64
no net on Internal Plane 13 (split plane): 2193.3,16.16 20.1,16.16 20.1,1121.64 2193.3,1121.64

## Keep-outs
Keep-Out Layer:
  the board outline again, w6

## Other copper
Top Layer:
  region net NetL1_2: 249.69,592 202.69,592 202.69,565 249.69,565
  region net NetL1_1: 127,592 174,592 174,565 127,565
  region net 3V6: 247,368 247,423 278.5,423 278.5,368
  region net 3V6: 344,649 344,558.25 262.76,557.95 262.76,649
  region net 3V6: 274,560 274,368 344,368 344,560
  region net VCC: 118.11,651.89 118.11,466 176.14,466 176.14,416.89 14.72,416.89 14.72,651.89
  region net NetL1_2: 310.79,733.86 275.35,733.86 275.35,891.34 205,891.34 205,675 310.79,675
  region net NetL1_1: 65.91,733.86 101.34,733.86 101.34,891.34 172,891.34 172,675 65.91,675
  region net VCC: 118.11,558 133.23,558 133.23,466 118.11,466
  region net 3V6: 243.46,558 303.53,558 303.53,489.07 243.46,489.07
  region net NetL1_1: 152,565 152,487 174,487 174,565
  region net NetL1_2: 224.69,565 224.69,487 203,487 203,565
  pour cut-out: 888,692 1005,692 1005,815 888,815
Bottom Layer:
  region net NetL1_2: 205,496.06 205,733.86 311,733.86 311,496.06
  region net NetL1_1: 172,495.87 172,734 65,734 65,495.87
  pour cut-out: 375.22,1074.8 375,1137 550.14,1137 550.14,1041 375.22,1041
  pour cut-out: 503.94,472.44 593,472.44 593,28 502.95,28
GND (plane layer: these items are gaps in the copper):
  pour cut-out: 657.48,536.64 657.48,442.15 751.97,442.15 751.97,536.64

## Silkscreen, mask and mechanical layers (free items; w line width, h text height)
Top Overlay:
  text "ADC 1" at 1723,1104 h24
  text "DEBUG" at 103,979 h60
  text "MODEM" at 529,979 h60
  text "VCC" at 75.86,413 h24
  text "GND" at 73,210 h24
  text "SCL" at 1392,191 h24
  text "SDA" at 1616,191 h24
  text "TLS_NBIOT" at 1343,102 h80
  text "LLEBJP0821" at 1442,45 h40
Bottom Overlay:
  text "RX" at 1063,860 h24 r90
  text "DEBUG" at 967,856 h24 r90
  text "TX" at 1064,784 h24 r90
  text "3v3 OUT" at 326,644 h24 r90
  text "TX" at 968,597 h24 r90
  text "GNSS" at 976,584 h24 r90
  text "RX" at 969,502 h24 r90
  text "GPIO2" at 1321,179 h24 r90
  text "GPIO1" at 1396,177 h24 r90
  text "VDD EXT" at 959,158 h24 r90
Top Solder:
  text "MAIN" at 2061,724 h35
  text "GNSS" at 2012,60 h35
Mechanical 4:
  the board outline again, w5

## Text inside footprints (layer, text, board x,y; h text height)
C19: Bottom Overlay "+" at 2097.74,755.43 h24 r90
C20: Bottom Overlay "+" at 1205,452 h24 r270